# Altium PCB kunkun.PcbDoc (part 4 of 8) (continued)
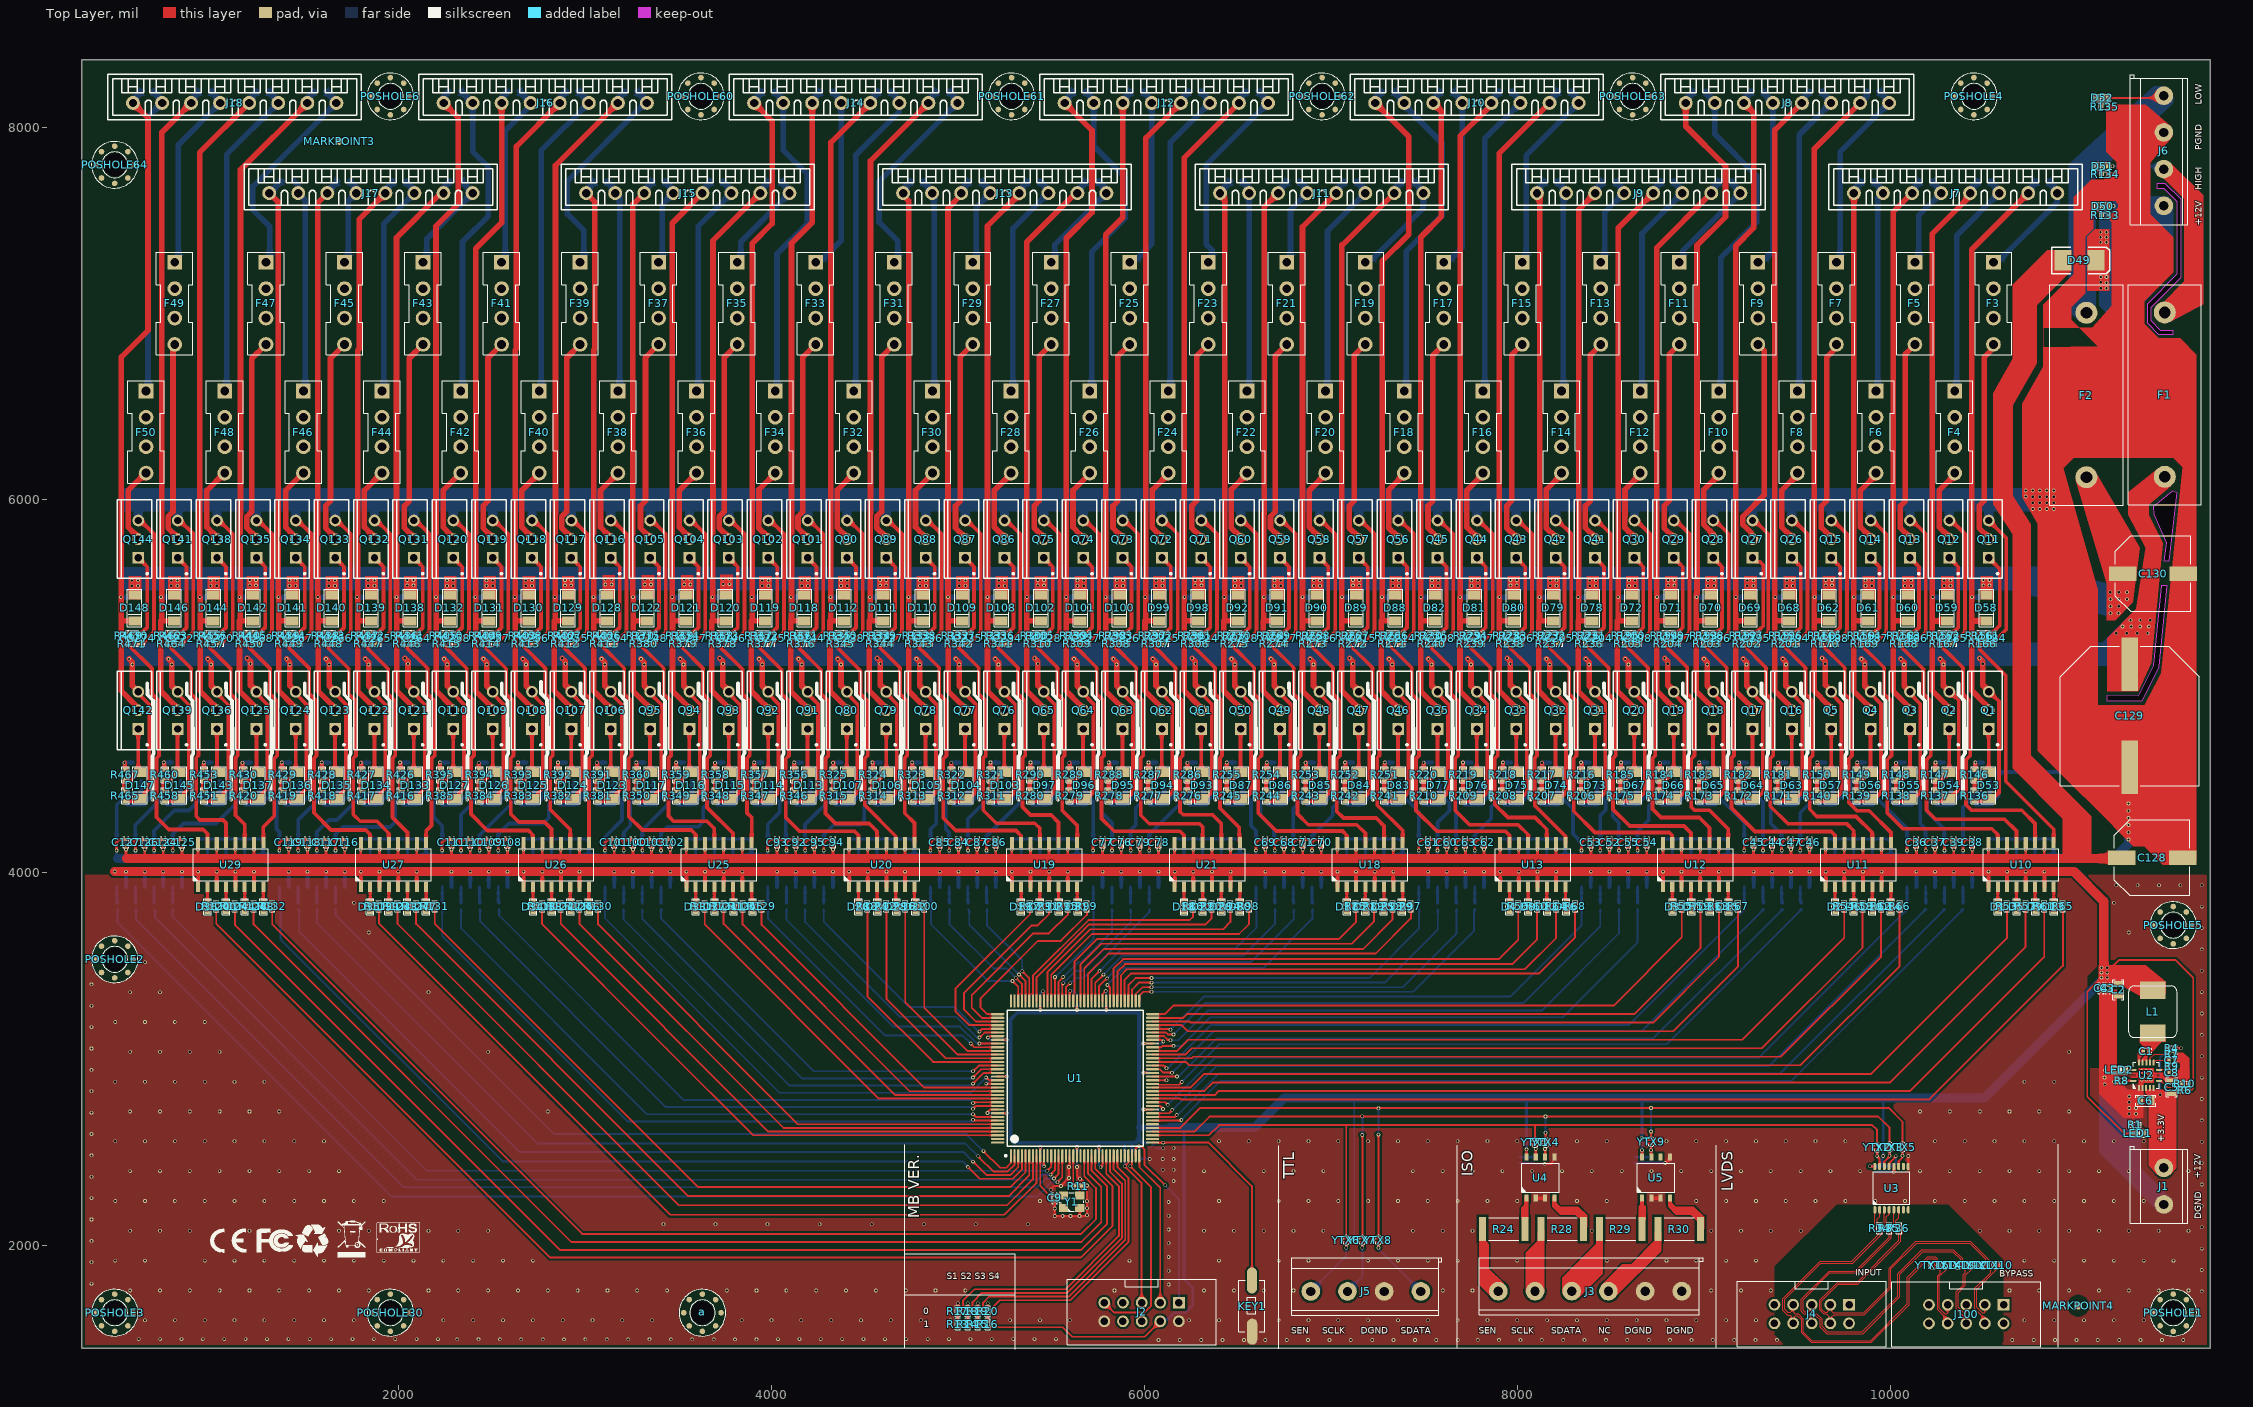
[diagram p0: Top Layer view]
## Nets (pads, with @x,y where several pads share a name; then routed paths per layer and width w, separated by ;. In a path a pad name is that pad's centre, name@x,y a point inside that pad or via, vN(x,y) a via of type N, cw(c..) or ccw(c..) an arc to the next point about the centre after c; other vN are vias at no path point) (continued)
NetD134_2: D134.2 Q122.1 R417.1 R427.1 | length 381.1
  Top Layer w20: R417.1@1795.85,4440.23 1795.85,4498.76 1829.52,4498.76 1870.12,4539.36 Q122.1@1870.12,4770.83
NetD135_2: D135.2 Q123.1 R418.1 R428.1 | length 381.1
  Top Layer w20: R418.1@1584.68,4440.23 1584.68,4498.76 1618.35,4498.76 1658.95,4539.36 Q123.1@1658.95,4770.83
NetD136_2: D136.2 Q124.1 R419.1 R429.1 | length 381.4
  Top Layer w20: R419.1@1373.64,4440.23 1373.64,4498.76 1407.41,4498.76 1448.01,4539.36 Q124.1@1448.01,4771.06
NetD137_2: D137.2 Q125.1 R420.1 R430.1 | length 381.7
  Top Layer w20: R420.1@1162.61,4440.23 1162.61,4498.76 1196.47,4498.76 D137.2@1237.07,4539.36 ; D137.2@1237.35,4539.64 Q125.1@1237.35,4771.57
NetD143_2: D143.2 Q136.1 R451.1 R453.1 | length 381.1
  Top Layer w20: R451.1@951.17,4440.23 951.17,4498.76 984.84,4498.76 1025.44,4539.36 Q136.1@1025.44,4770.83
NetD145_2: D145.2 Q139.1 R458.1 R460.1 | length 381.1
  Top Layer w20: R458.1@740,4440.23 740,4498.76 773.67,4498.76 814.27,4539.36 Q139.1@814.27,4770.83
NetD147_2: D147.2 Q142.1 R465.1 R467.1 | length 381.1
  Top Layer w20: R465.1@528.83,4440.23 528.83,4498.76 562.5,4498.76 603.1,4539.36 Q142.1@603.1,4770.83
NetF3_2: F3.2 Q11.2 | length 1126.1
  Top Layer w30: Q11.2@10528.84,5789.64 10528.84,5798.56 10477.35,5850.06 10477.35,5968.46 10503.81,5994.92 10503.81,6764.24 F3.2@10553.97,6814.4 ; F3.2@10553.97,6834.4 F3.2@10553.97,6814.4 ; F3.2@10573.97,6834.4 F3.2@10553.97,6814.4
NetF4_2: F4.2 Q12.2 | length 415.8
  Top Layer w30: Q12.2@10317.67,5789.64 10317.67,5798.56 10301.18,5815.06 10301.18,5815.69 10262.81,5854.06 10262.81,6050.82 F4.2@10356.1,6144.11
NetF5_2: F5.2 Q13.2 | length 1111.6
  Top Layer w30: Q13.2@10106.5,5789.64 10106.5,5798.56 10055.01,5850.06 10055.01,5968.46 10081.47,5994.92 10081.47,6783.04 F5.2@10132.83,6834.4 ; F5.2@10142.23,6825 F5.2@10151.63,6834.4
NetF6_2: F6.2 Q14.2 | length 382.9
  Top Layer w30: Q14.2@9878.84,5815.69 9840.47,5854.06 9840.47,6050.82 F6.2@9933.76,6144.11
NetF7_2: F7.2 Q15.2 | length 1124.7
  Top Layer w30: Q15.2@9684.16,5789.64 9684.16,5798.56 9631.42,5851.3 9631.42,5967.21 9659.13,5994.92 9659.13,6764.24 F7.2@9711.69,6816.79 ; F7.2@9711.69,6834.4 F7.2@9711.69,6816.79 ; F7.2@9729.29,6834.4 F7.2@9711.69,6816.79
NetF8_2: F8.2 Q26.2 | length 382.9
  Top Layer w30: Q26.2@9456.49,5815.69 9418.13,5854.06 9418.13,6050.82 F8.2@9511.42,6144.11
NetF9_2: F9.2 Q27.2 | length 1127.3
  Top Layer w30: Q27.2@9261.82,5789.64 9255.51,5795.95 9255.51,5823.12 9210.32,5868.31 9210.32,5910.97 9324.33,6024.98 9324.33,6800.61 F9.2@9290.54,6834.4
NetF10_2: F10.2 Q28.2 | length 386.6
  Top Layer w30: Q28.2@9049.67,5815.69 9049.67,5817.79 8999.15,5868.31 8999.15,6052.44 9089.08,6142.36 F10.2@9089.08,6144.11
NetF11_2: F11.2 Q29.2 | length 1110.6
  Top Layer w30: Q29.2@8839.48,5789.64 8839.48,5798.56 8787.98,5850.06 8787.98,5968.46 8814.45,5994.92 8814.45,6779.45 F11.2@8869.4,6834.4 ; F11.2@8877,6826.79 F11.2@8884.61,6834.4
NetF12_2: F12.2 Q30.2 | length 380.2
  Top Layer w30: Q30.2@8611.81,5815.69 8576.81,5850.69 8576.81,5910.97 8577.98,5912.14 8577.98,6055.35 F12.2@8666.74,6144.11
NetF13_2: F13.2 Q41.2 | length 1110.2
  Top Layer w30: Q41.2@8417.14,5789.64 8417.14,5798.56 8365.64,5850.06 8365.64,5968.46 8392.11,5994.92 8392.11,6778.25 F13.2@8448.26,6834.4 ; F13.2@8455.26,6827.39 F13.2@8462.27,6834.4
NetF14_2: F14.2 Q42.2 | length 380.2
  Top Layer w30: Q42.2@8189.47,5815.69 8154.47,5850.69 8154.47,5910.97 8156.2,5912.69 8156.2,6055.91 F14.2@8244.4,6144.11
NetF15_2: F15.2 Q43.2 | length 1109.9
  Top Layer w30: Q43.2@7994.8,5789.64 7994.8,5798.56 7943.3,5850.06 7943.3,5968.46 7969.77,5994.92 7969.77,6777.05 F15.2@8027.11,6834.4 ; F15.2@8033.52,6827.99 F15.2@8039.93,6834.4
NetF16_2: F16.2 Q44.2 | length 382.9
  Top Layer w30: Q44.2@7767.13,5815.69 7728.77,5854.06 7728.77,6050.82 F16.2@7822.06,6144.11
NetF17_2: F17.2 Q45.2 | length 1109.5
  Top Layer w30: Q45.2@7572.46,5789.64 7572.46,5798.56 7520.96,5850.06 7520.96,5968.46 7547.43,5994.92 7547.43,6775.85 F17.2@7605.97,6834.4 ; F17.2@7611.78,6828.59 F17.2@7617.59,6834.4
NetF18_2: F18.2 Q56.2 | length 380.2
  Top Layer w30: Q56.2@7344.79,5815.69 7309.79,5850.69 7309.79,6054.18 F18.2@7399.72,6144.11
NetF19_2: F19.2 Q57.2 | length 1109.2
  Top Layer w30: Q57.2@7150.12,5789.64 7150.12,5798.56 7098.62,5850.06 7098.62,5968.46 7125.09,5994.92 7125.09,6774.66 F19.2@7184.83,6834.4 ; F19.2@7190.04,6829.19 F19.2@7195.25,6834.4
NetF20_2: F20.2 Q58.2 | length 382.9
  Top Layer w30: Q58.2@6922.45,5815.69 6884.09,5854.06 6884.09,6050.82 F20.2@6977.38,6144.11
NetF21_2: F21.2 Q59.2 | length 1108.8
  Top Layer w30: Q59.2@6727.78,5789.64 6727.78,5798.56 6676.28,5850.06 6676.28,5910.97 6702.75,5937.43 6702.75,6773.46 F21.2@6763.68,6834.4 ; F21.2@6768.3,6829.79 F21.2@6772.91,6834.4
NetF22_2: F22.2 Q60.2 | length 380.2
  Top Layer w30: Q60.2@6500.11,5815.69 6465.11,5850.69 6465.11,5910.97 6466.84,5912.69 6466.84,6055.91 F22.2@6555.04,6144.11
NetF23_2: F23.2 Q71.2 | length 1108.5
  Top Layer w30: Q71.2@6305.44,5789.64 6305.44,5798.56 6253.94,5850.06 6253.94,5968.46 6280.41,5994.92 6280.41,6772.26 F23.2@6342.54,6834.4 ; F23.2@6346.55,6830.38 F23.2@6350.57,6834.4
NetF24_2: F24.2 Q72.2 | length 380.2
  Top Layer w30: Q72.2@6077.77,5815.69 6042.77,5850.69 6042.77,6054.18 F24.2@6132.7,6144.11
NetF25_2: F25.2 Q73.2 | length 1108.1
  Top Layer w30: Q73.2@5883.1,5789.64 5883.1,5798.56 5831.6,5850.06 5831.6,5968.46 5858.07,5994.92 5858.07,6771.07 F25.2@5921.4,6834.4 ; F25.2@5924.81,6830.98 F25.2@5928.23,6834.4
NetF26_2: F26.2 Q74.2 | length 382.9
  Top Layer w30: Q74.2@5655.43,5815.69 5617.07,5854.06 5617.07,6050.82 F26.2@5710.36,6144.11
NetF27_2: F27.2 Q75.2 | length 1107.8
  Top Layer w30: Q75.2@5460.76,5789.64 5460.76,5798.56 5409.26,5850.06 5409.26,5968.46 5435.72,5994.92 5435.72,6769.87 F27.2@5500.25,6834.4 ; F27.2@5503.07,6831.58 F27.2@5505.89,6834.4
NetF28_2: F28.2 Q86.2 | length 382.9
  Top Layer w30: Q86.2@5233.09,5815.69 5194.73,5854.06 5194.73,6050.82 F28.2@5288.02,6144.11
NetF29_2: F29.2 Q87.2 | length 1107.4
  Top Layer w30: Q87.2@5038.42,5789.64 5038.42,5798.56 4986.92,5850.06 4986.92,5968.46 5013.38,5994.92 5013.38,6768.67 F29.2@5079.11,6834.4 ; F29.2@5081.33,6832.18 F29.2@5083.55,6834.4
NetF30_2: F30.2 Q88.2 | length 382.9
  Top Layer w30: Q88.2@4810.75,5815.69 4772.39,5854.06 4772.39,6050.82 F30.2@4865.67,6144.11
NetF31_2: F31.2 Q89.2 | length 1107.1
  Top Layer w30: Q89.2@4616.08,5789.64 4616.08,5798.56 4564.58,5850.06 4564.58,5910.97 4591.04,5937.43 4591.04,6767.47 F31.2@4657.97,6834.4 ; F31.2@4659.59,6832.78 F31.2@4661.21,6834.4
NetF32_2: F32.2 Q90.2 | length 380.2
  Top Layer w30: Q90.2@4388.41,5815.69 4353.41,5850.69 4353.41,6054.18 F32.2@4443.33,6144.11
NetF33_2: F33.2 Q101.2 | length 1106.7
  Top Layer w30: Q101.2@4193.74,5789.64 4193.74,5798.56 4142.24,5850.06 4142.24,5910.97 4168.7,5937.43 4168.7,6766.28 F33.2@4236.83,6834.4 ; F33.2@4237.85,6833.38 F33.2@4238.87,6834.4
NetF34_2: F34.2 Q102.2 | length 380.2
  Top Layer w30: Q102.2@3966.07,5815.69 3931.07,5850.69 3931.07,5910.97 3932.79,5912.69 3932.79,6055.91 F34.2@4020.99,6144.11
NetF35_2: F35.2 Q103.2 | length 1106.4
  Top Layer w30: Q103.2@3771.4,5789.64 3771.4,5798.56 3719.9,5850.06 3719.9,5910.97 3746.36,5937.43 3746.36,6765.08 F35.2@3815.68,6834.4 ; F35.2@3816.1,6833.98 F35.2@3816.53,6834.4
NetF36_2: F36.2 Q104.2 | length 382.9
  Top Layer w30: Q104.2@3543.73,5815.69 3505.37,5854.06 3505.37,6050.82 F36.2@3598.65,6144.11
NetF37_2: F37.2 Q105.2 | length 1106.3
  Top Layer w30: Q105.2@3349.05,5789.64 3349.05,5798.56 3297.56,5850.06 3297.56,5968.46 3324.02,5994.92 3324.02,6763.88 F37.2@3394.54,6834.4
NetF38_2: F38.2 Q116.2 | length 382.9
  Top Layer w30: Q116.2@3121.39,5815.69 3083.03,5854.06 3083.03,6050.82 F38.2@3176.31,6144.11
NetF39_2: F39.2 Q117.2 | length 1106.8
  Top Layer w30: Q117.2@2926.71,5789.64 2926.71,5798.56 2875.22,5850.06 2875.22,5910.97 2901.68,5937.43 2901.68,6762.68 F39.2@2973.4,6834.4
NetF40_2: F40.2 Q118.2 | length 382.9
  Top Layer w30: Q118.2@2699.05,5815.69 2660.68,5854.06 2660.68,6050.82 F40.2@2753.97,6144.11
NetF41_2: F41.2 Q119.2 | length 1107.3
  Top Layer w30: Q119.2@2504.37,5789.64 2504.37,5798.56 2452.88,5850.06 2452.88,5968.46 2479.34,5994.92 2479.34,6761.49 F41.2@2552.25,6834.4
NetF42_2: F42.2 Q120.2 | length 382.9
  Top Layer w30: Q120.2@2276.71,5815.69 2238.34,5854.06 2238.34,6050.82 F42.2@2331.63,6144.11
NetF43_2: F43.2 Q131.2 | length 1107.7
  Top Layer w30: Q131.2@2082.03,5789.64 2082.03,5798.56 2030.54,5850.06 2030.54,5968.46 2057,5994.92 2057,6760.29 F43.2@2131.11,6834.4
NetF44_2: F44.2 Q132.2 | length 382.9
  Top Layer w30: Q132.2@1854.37,5815.69 1816,5854.06 1816,6050.82 F44.2@1909.29,6144.11
NetF45_2: F45.2 Q133.2 | length 1108.2
  Top Layer w30: Q133.2@1659.69,5789.64 1659.69,5798.56 1608.2,5850.06 1608.2,5968.46 1634.66,5994.92 1634.66,6759.09 F45.2@1709.97,6834.4
NetF46_2: F46.2 Q134.2 | length 382.9
  Top Layer w30: Q134.2@1432.03,5815.69 1393.66,5854.06 1393.66,6050.82 F46.2@1486.95,6144.11
NetF47_2: F47.2 Q135.2 | length 1108.7
  Top Layer w30: Q135.2@1237.35,5789.64 1237.35,5798.56 1185.86,5850.06 1185.86,5910.97 1212.32,5937.43 1212.32,6757.9 F47.2@1288.82,6834.4
NetF48_2: F48.2 Q138.2 | length 382.9
  Top Layer w30: Q138.2@1009.69,5815.69 971.32,5854.06 971.32,6050.82 F48.2@1064.61,6144.11
NetF49_2: F49.2 Q141.2 | length 1080.8
  Top Layer w30: F49.2@799.01,6834.4 789.98,6825.36 789.98,5937.43 763.52,5910.97 763.52,5850.06 815.01,5798.56 Q141.2@815.01,5789.64
NetF50_2: F50.2 Q144.2 | length 382.9
  Top Layer w30: Q144.2@587.35,5815.69 548.98,5854.06 548.98,6050.82 F50.2@642.27,6144.11
NetJ3_1: J3.1 R24.1
NetJ3_2: J3.2 R28.1
NetJ3_3: J3.3 R29.1
NetJ3_4: J3.4 R30.1
NetJ5_1: J5.1 R31.1 YTX6.1 | length 367.6
  Top Layer w10: v1(7082.72,1989.6) YTX6.1@7082.72,2014.91 7082.72,2019.09
  Bottom Layer w10: J5.1@6892.49,1754.83 7082.72,1945.06 v1(7082.72,1989.6) R31.1@7082.72,2014.17
NetJ5_2: J5.2 R32.1 YTX7.1 | length 321.8
  Top Layer w10: v1(7168.99,1989.6) YTX7.1@7168.99,2014.91 7168.99,2019.09
  Bottom Layer w10: J5.2@7089.34,1754.83 7168.99,1834.49 v1(7168.99,1989.6) R32.1@7168.99,2014.17
NetJ5_4: J5.4 R33.1 YTX8.1 | length 383.2
  Top Layer w10: v1(7255.27,1989.6) YTX8.1@7255.27,2014.91 7255.27,2019.09
  Bottom Layer w10: R33.1@7255.27,2014.17 v1(7255.27,1989.6) 7255.27,1982.61 J5.4@7483.04,1754.83
NetJ100_3: J100.3 YTX10.1 | length 366.6
  Top Layer w5: J100.3@10508.26,1682.89 10508.26,1644.47 10504.41,1640.62 10493.99,1640.62 10465.03,1669.59 10465.03,1767.12 10577.8,1879.89 10577.8,1894.27
NetJ100_4: J100.4 YTX11.2 | length 355.1
  Top Layer w5: J100.4@10508.26,1607.68 10455.03,1660.91 10455.03,1771.26 10539.1,1855.33 10539.1,1865.48 10510.5,1894.08
NetJ100_5: J100.5 YTX12.1 | length 351.9
  Top Layer w5: J100.5@10408.26,1682.89 10408.26,1644.47 10404.41,1640.62 10393.99,1640.62 10365.03,1669.59 10365.03,1748.65 10403.64,1787.26 10403.64,1841.28 10442.25,1879.89 10442.25,1894.27
NetJ100_6: J100.6 YTX13.2 | length 365.2
  Top Layer w5: 10374.96,1894.08 10403.55,1865.48 10403.55,1855.33 10391.29,1843.07 10391.29,1789.06 10355.03,1752.79 10355.03,1660.91 10408.26,1607.68 J100.6@10408.26,1582.89
NetJ100_7: J100.7 YTX14.1 | length 346.5
  Top Layer w5: J100.7@10308.26,1682.89 10308.26,1640.36 10304.16,1636.26 10291.96,1636.26 10264.52,1663.7 10264.52,1835.12 10308.26,1878.86 10308.26,1892.72
NetJ100_8: J100.8 YTX15.2 | length 351.9
  Top Layer w5: 10239.08,1894.27 10268.36,1864.98 10268.36,1853.11 10254.04,1838.78 10254.04,1656.8 10308.26,1602.58 J100.8@10308.26,1582.89
NetLED1_1: LED1.1 R1.1 | length 57.5
  Top Layer w6: R1.1@11331.64,2649.6 11356.63,2624.61 LED1.1@11356.63,2602.43
NetLED2_2: LED2.2 U2.14 | length 46.9
  Top Layer w10: LED2.2@11257.47,2942.8 11258.33,2943.66 U2.14@11304.02,2943.66
NetQ6_1: Q6.1 R146.2 | length 82
  Top Layer w20: R146.2@10453.83,4553.88 10457,4557.04 v1(10457,4591.59)
  Bottom Layer w20: v1(10457,4591.59) Q6.1@10500,4591.59
NetQ7_1: Q7.1 R147.2 | length 84.8
  Top Layer w20: R147.2@10242.79,4553.88 v1(10242.79,4592.2)
  Bottom Layer w20: v1(10242.79,4592.2) 10288.38,4592.2 Q7.1@10289,4591.59
NetQ8_1: Q8.1 R148.2 | length 83.4
  Top Layer w20: R148.2@10031.76,4553.88 v1(10031.76,4590.59)
  Bottom Layer w20: v1(10031.76,4590.59) 10032.75,4591.59 Q8.1@10078,4591.59
NetQ9_1: Q9.1 R149.2 | length 77.5
  Top Layer w20: R149.2@9823.48,4557.04 v1(9823.48,4591.59)
  Bottom Layer w20: v1(9823.48,4591.59) Q9.1@9866.48,4591.59
NetQ10_1: Q10.1 R150.2 | length 80.1
  Top Layer w20: R150.2@9612.31,4557.04 v1@9612.31,4591.59
  Bottom Layer w20: v1(9609.28,4592.2) Q10.1@9654.87,4592.2
NetQ21_1: Q21.1 R181.2 | length 79.8
  Top Layer w20: R181.2@9401.14,4557.04 v1@9401.14,4591.59
  Bottom Layer w20: v1@9399.24,4591.59 Q21.1@9444.48,4591.59
  other v1: 9398.25,4590.59
NetQ22_1: Q22.1 R182.2 | length 77.5
  Top Layer w20: R182.2@9189.97,4557.04 v1(9189.97,4591.59)
  Bottom Layer w20: v1(9189.97,4591.59) Q22.1@9232.97,4591.59
NetQ23_1: Q23.1 R183.2 | length 83.9
  Top Layer w20: R183.2@8975.77,4553.88 v1(8975.77,4592.2)
  Bottom Layer w20: v1(8975.77,4592.2) Q23.1@9021.36,4592.2
NetQ24_1: Q24.1 R184.2 | length 82
  Top Layer w20: R184.2@8764.73,4553.88 v1(8764.73,4590.59)
  Bottom Layer w20: v1@8765.73,4591.59 Q24.1@8810.97,4591.59
NetQ25_1: Q25.1 R185.2 | length 77.5
  Top Layer w20: R185.2@8556.46,4557.04 v1(8556.46,4591.59)
  Bottom Layer w20: v1(8556.46,4591.59) Q25.1@8599.46,4591.59
NetQ36_1: Q36.1 R216.2 | length 80.1
  Top Layer w20: R216.2@8345.29,4557.04 v1@8345.29,4591.59
  Bottom Layer w20: v1(8342.26,4592.2) Q36.1@8387.85,4592.2
NetQ37_1: Q37.1 R217.2 | length 79.8
  Top Layer w20: R217.2@8134.12,4557.04 v1@8134.12,4591.59
  Bottom Layer w20: v1@8132.22,4591.59 Q37.1@8177.46,4591.59
  other v1: 8131.22,4590.59
NetQ38_1: Q38.1 R218.2 | length 77.5
  Top Layer w20: R218.2@7922.95,4557.04 v1(7922.95,4591.59)
  Bottom Layer w20: v1(7922.95,4591.59) Q38.1@7965.95,4591.59
NetQ39_1: Q39.1 R219.2 | length 83.9
  Top Layer w20: R219.2@7708.75,4553.88 v1(7708.75,4592.2)
  Bottom Layer w20: v1(7708.75,4592.2) Q39.1@7754.34,4592.2
NetQ40_1: Q40.1 R220.2 | length 82
  Top Layer w20: R220.2@7497.71,4553.88 v1(7497.71,4590.59)
  Bottom Layer w20: v1@7498.71,4591.59 Q40.1@7543.95,4591.59
NetQ51_1: Q51.1 R251.2 | length 77.5
  Top Layer w20: R251.2@7289.44,4557.04 v1(7289.44,4591.59)
  Bottom Layer w20: v1(7289.44,4591.59) Q51.1@7332.44,4591.59
NetQ52_1: Q52.1 R252.2 | length 80.1
  Top Layer w20: R252.2@7078.27,4557.04 v1@7078.27,4591.59
  Bottom Layer w20: v1(7075.24,4592.2) Q52.1@7120.83,4592.2
NetQ53_1: Q53.1 R253.2 | length 79.8
  Top Layer w20: R253.2@6867.1,4557.04 v1@6867.1,4591.59
  Bottom Layer w20: v1@6865.2,4591.59 Q53.1@6910.44,4591.59
  other v1: 6864.2,4590.59
NetQ54_1: Q54.1 R254.2 | length 77.5
  Top Layer w20: R254.2@6655.93,4557.04 v1(6655.93,4591.59)
  Bottom Layer w20: v1(6655.93,4591.59) Q54.1@6698.93,4591.59
NetQ55_1: Q55.1 R255.2 | length 83.9
  Top Layer w20: R255.2@6441.73,4553.88 v1(6441.73,4592.2)
  Bottom Layer w20: v1(6441.73,4592.2) Q55.1@6487.32,4592.2
NetQ66_1: Q66.1 R286.2 | length 82
  Top Layer w20: R286.2@6230.69,4553.88 v1(6230.69,4590.59)
  Bottom Layer w20: v1@6231.69,4591.59 Q66.1@6276.93,4591.59
NetQ67_1: Q67.1 R287.2 | length 77.5
  Top Layer w20: R287.2@6022.42,4557.04 v1(6022.42,4591.59)
  Bottom Layer w20: v1(6022.42,4591.59) Q67.1@6065.42,4591.59
NetQ68_1: Q68.1 R288.2 | length 80.1
  Top Layer w20: R288.2@5811.25,4557.04 v1@5811.25,4591.59
  Bottom Layer w20: v1(5808.22,4592.2) Q68.1@5853.81,4592.2
NetQ69_1: Q69.1 R289.2 | length 79.8
  Top Layer w20: R289.2@5600.08,4557.04 v1@5600.08,4591.59
  Bottom Layer w20: v1@5598.18,4591.59 Q69.1@5643.42,4591.59
  other v1: 5597.18,4590.59
NetQ70_1: Q70.1 R290.2 | length 77.5
  Top Layer w20: R290.2@5388.91,4557.04 v1(5388.91,4591.59)
  Bottom Layer w20: v1(5388.91,4591.59) Q70.1@5431.91,4591.59
NetQ81_1: Q81.1 R321.2 | length 83.9
  Top Layer w20: R321.2@5174.71,4553.88 v1(5174.71,4592.2)
  Bottom Layer w20: v1(5174.71,4592.2) Q81.1@5220.3,4592.2
NetQ82_1: Q82.1 R322.2 | length 82
  Top Layer w20: R322.2@4963.67,4553.88 v1(4963.67,4590.59)
  Bottom Layer w20: v1@4964.67,4591.59 Q82.1@5009.91,4591.59
NetQ83_1: Q83.1 R323.2 | length 77.5
  Top Layer w20: R323.2@4755.4,4557.04 v1(4755.4,4591.59)
  Bottom Layer w20: v1(4755.4,4591.59) Q83.1@4798.4,4591.59
NetQ84_1: Q84.1 R324.2 | length 80.1
  Top Layer w20: R324.2@4544.23,4557.04 v1@4544.23,4591.59
  Bottom Layer w20: v1(4541.2,4592.2) Q84.1@4586.78,4592.2
NetQ85_1: Q85.1 R325.2 | length 79.8
  Top Layer w20: R325.2@4333.06,4557.04 v1@4333.06,4591.59
  Bottom Layer w20: v1@4331.16,4591.59 Q85.1@4376.4,4591.59
  other v1: 4330.16,4590.59
NetQ96_1: Q96.1 R356.2 | length 77.5
  Top Layer w20: R356.2@4121.89,4557.04 v1(4121.89,4591.59)
  Bottom Layer w20: v1(4121.89,4591.59) Q96.1@4164.89,4591.59
NetQ97_1: Q97.1 R357.2 | length 83.9
  Top Layer w20: R357.2@3907.69,4553.88 v1(3907.69,4592.2)
  Bottom Layer w20: v1(3907.69,4592.2) Q97.1@3953.27,4592.2
NetQ98_1: Q98.1 R358.2 | length 82
  Top Layer w20: R358.2@3696.65,4553.88 v1(3696.65,4590.59)
  Bottom Layer w20: v1@3697.65,4591.59 Q98.1@3742.89,4591.59
NetQ99_1: Q99.1 R359.2 | length 77.5
  Top Layer w20: R359.2@3488.38,4557.04 v1(3488.38,4591.59)
  Bottom Layer w20: v1(3488.38,4591.59) Q99.1@3531.38,4591.59
NetQ100_1: Q100.1 R360.2 | length 80.1
  Top Layer w20: R360.2@3277.21,4557.04 v1@3277.21,4591.59
  Bottom Layer w20: v1(3274.18,4592.2) Q100.1@3319.76,4592.2
NetQ111_1: Q111.1 R391.2 | length 79.8
  Top Layer w20: R391.2@3066.04,4557.04 v1@3066.04,4591.59
  Bottom Layer w20: v1@3064.14,4591.59 Q111.1@3109.38,4591.59
  other v1: 3063.14,4590.59
NetQ112_1: Q112.1 R392.2 | length 77.5
  Top Layer w20: R392.2@2854.87,4557.04 v1(2854.87,4591.59)
  Bottom Layer w20: v1(2854.87,4591.59) Q112.1@2897.87,4591.59
NetQ113_1: Q113.1 R393.2 | length 83.9
  Top Layer w20: R393.2@2640.67,4553.88 v1(2640.67,4592.2)
  Bottom Layer w20: v1(2640.67,4592.2) Q113.1@2686.25,4592.2
NetQ114_1: Q114.1 R394.2 | length 82
  Top Layer w20: R394.2@2429.63,4553.88 v1(2429.63,4590.59)
  Bottom Layer w20: v1@2430.63,4591.59 Q114.1@2475.87,4591.59
NetQ115_1: Q115.1 R395.2 | length 77.5
  Top Layer w20: R395.2@2221.36,4557.04 v1(2221.36,4591.59)
  Bottom Layer w20: v1(2221.36,4591.59) Q115.1@2264.36,4591.59
NetQ126_1: Q126.1 R426.2 | length 80.1
  Top Layer w20: R426.2@2010.19,4557.04 v1@2010.19,4591.59
  Bottom Layer w20: v1(2007.16,4592.2) Q126.1@2052.74,4592.2
NetQ127_1: Q127.1 R427.2 | length 79.8
  Top Layer w20: R427.2@1799.02,4557.04 v1@1799.02,4591.59
  Bottom Layer w20: v1@1797.12,4591.59 Q127.1@1842.36,4591.59
  other v1: 1796.12,4590.59
NetQ128_1: Q128.1 R428.2 | length 77.5
  Top Layer w20: R428.2@1587.85,4557.04 v1(1587.85,4591.59)
  Bottom Layer w20: v1(1587.85,4591.59) Q128.1@1630.85,4591.59
NetQ129_1: Q129.1 R429.2 | length 83.9
  Top Layer w20: R429.2@1373.64,4553.88 v1(1373.64,4592.2)
  Bottom Layer w20: v1(1373.64,4592.2) Q129.1@1419.23,4592.2
NetQ130_1: Q130.1 R430.2 | length 82
  Top Layer w20: R430.2@1162.61,4553.88 v1(1162.61,4590.59)
  Bottom Layer w20: v1@1163.61,4591.59 Q130.1@1208.85,4591.59
NetQ137_1: Q137.1 R453.2 | length 77.5
  Top Layer w20: R453.2@954.34,4557.04 v1(954.34,4591.59)
  Bottom Layer w20: v1(954.34,4591.59) Q137.1@997.34,4591.59
NetQ140_1: Q140.1 R460.2 | length 80.1
  Top Layer w20: R460.2@743.17,4557.04 v1@743.17,4591.59
  Bottom Layer w20: v1(740.13,4592.2) Q140.1@785.72,4592.2
NetQ143_1: Q143.1 R467.2 | length 79.8
  Top Layer w20: R467.2@532,4557.04 v1@532,4591.59
  Bottom Layer w20: v1@530.09,4591.59 Q143.1@575.34,4591.59
  other v1: 529.1,4590.59
NetR4_1: R4.1 R7.2 U2.10 | length 165.7
  Top Layer w5: U2.10@11393.64,2982.05 11393.64,3004.54 11415.78,3026.67 R7.2@11495.08,3026.67 R4.1@11495.08,3059.26
NetR6_1: R6.1 R10.2 U2.7 | length 168.9
  Top Layer w6: U2.7@11441.82,2884.6 11451.77,2884.6 11487.58,2848.8 11563.25,2848.8 ; R6.1@11563.25,2835.02 11563.25,2848.8 ; R10.2@11563.25,2867.61 11563.25,2848.8
NetR8_2: R8.2 U2.1 | length 46.1
  Top Layer w10: R8.2@11257.95,2884.56 11257.99,2884.6 U2.1@11304.02,2884.6
NetR9_2: R9.2 U2.8 | length 60.7
  Top Layer w5: U2.8@11441.82,2943.66 11469.28,2943.66 11487.11,2961.49 R9.2@11495.08,2961.49
NetR11_1: R11.1 Y1.3 | length 54.7
  Top Layer w10: Y1.3@5652.9,2268.49 5652.9,2295 5660.82,2302.91 R11.1@5660.82,2319.91
NetR21_1: R21.1 U4.7 YTX1.2 | length 98.8
  Top Layer w10: 8093.51,2538.15 8093.51,2543.07 ; U4.7@8093.75,2480.64 U4.7@8099.16,2475.22 8099.16,2542.26
  Bottom Layer w10: v1(8098.85,2518.93) 8099.59,2519.66 R21.1@8099.59,2537.77
NetR22_1: R22.1 U4.6 YTX4.2 | length 86.2
  Top Layer w10: U4.6@8149.16,2475.22 8149.16,2542.26
  Bottom Layer w10: v1(8148.85,2518.93) 8149.59,2519.66 R22.1@8149.59,2537.77
NetR23_1: R23.1 U5.7 YTX9.2 | length 99.8
  Top Layer w10: 8717.35,2547.11 YTX9.2@8717.35,2542.94 8717.35,2476.63 U5.7@8718.76,2475.22
  Bottom Layer w10: v1@8717.35,2519.41 R23.1@8717.35,2546.72
  other v1: 8717.35,2512.57
NetR24_2: R24.2 U4.1 | length 10.8
  Top Layer w15: R24.2@8041.52,2089.56 R24.2@8049.16,2097.2
NetR25_1: R25.1 U3.15 YTX2.2 | length 129.7
  Top Layer w10: 9929.93,2517.47 YTX2.2@9929.93,2513.29 v1(9929.93,2480.59) 9943.27,2467.25 U3.15@9943.27,2425.23
  Bottom Layer w10: v1(9929.93,2480.59) R25.1@9929.93,2512.55
NetR26_1: R26.1 U3.14 YTX3.2 | length 133
  Top Layer w10: U3.14@9968.86,2425.23 9968.86,2451.16 9992.17,2474.47 9992.17,2474.93 9996.56,2479.32 9997.02,2479.32 YTX3.2@9997.02,2514.35
  Bottom Layer w10: v1(9997.02,2482.39) R26.1@9997.02,2514.35
NetR27_1: R27.1 U3.11 YTX5.2 | length 128.6
  Top Layer w10: U3.11@10045.63,2425.23 10045.63,2453.56 10064.32,2472.25 10064.32,2480.54 v1(10066.17,2482.39) ; v1@10066.17,2487.53 10066.17,2518.52
  Bottom Layer w10: v1(10066.17,2482.39) R27.1@10066.17,2514.34
NetR28_2: R28.2 U4.4
NetR29_2: R29.2 U5.1
NetR30_2: R30.2 U5.4
NetR37_2: R37.2 U6.2 | length 88.3
  Bottom Layer w15: U6.2@10390.74,3924.62 10390.74,3837.92 R37.2@10391.87,3836.79
NetR38_2: R38.2 U7.2 | length 90.9
  Bottom Layer w15: U7.2@9517.78,3924.62 9517.78,3844.34 R38.2@9525.32,3836.79
NetR39_2: R39.2 U8.2 | length 88
  Bottom Layer w15: U8.2@8644.81,3924.62 8644.81,3837.24 R39.2@8645.26,3836.79
NetR40_2: R40.2 U9.2 | length 88.5
  Bottom Layer w15: U9.2@7771.85,3924.62 7771.85,3838.39 R40.2@7773.44,3836.79
NetR41_2: R41.2 U6.4 | length 88.3
  Bottom Layer w15: U6.4@10290.74,3924.62 10290.74,3837.92 R41.2@10291.87,3836.79
NetR42_2: R42.2 U7.4 | length 90.3
  Bottom Layer w15: U7.4@9417.78,3924.62 9417.78,3842.67 R42.2@9423.66,3836.79
NetR43_2: R43.2 U8.4 | length 88
  Bottom Layer w15: U8.4@8544.81,3924.62 8544.81,3837.24 R43.2@8545.26,3836.79
NetR44_2: R44.2 U9.4 | length 88.5
  Bottom Layer w15: U9.4@7671.85,3924.62 7671.85,3838.39 R44.2@7673.44,3836.79
NetR45_2: R45.2 U6.6 | length 88.3
  Bottom Layer w15: U6.6@10190.74,3924.62 10190.74,3837.92 R45.2@10191.87,3836.79
NetR46_2: R46.2 U7.6 | length 89.6
  Bottom Layer w15: U7.6@9317.78,3924.62 9317.78,3841.01 R46.2@9321.99,3836.79
NetR47_2: R47.2 U8.6 | length 88
  Bottom Layer w15: U8.6@8444.81,3924.62 8444.81,3837.24 R47.2@8445.26,3836.79
NetR48_2: R48.2 U9.6 | length 88.5
  Bottom Layer w15: U9.6@7571.85,3924.62 7571.85,3838.39 R48.2@7573.44,3836.79
NetR49_2: R49.2 U6.8 | length 88.3
  Bottom Layer w15: U6.8@10090.74,3924.62 10090.74,3837.92 R49.2@10091.87,3836.79
NetR50_2: R50.2 U7.8 | length 88.9
  Bottom Layer w15: U7.8@9217.78,3924.62 9217.78,3839.34 R50.2@9220.32,3836.79
NetR51_2: R51.2 U8.8 | length 88
  Bottom Layer w15: U8.8@8344.81,3924.62 8344.81,3837.24 R51.2@8345.26,3836.79
NetR52_2: R52.2 U9.8 | length 88.5
  Bottom Layer w15: U9.8@7471.85,3924.62 7471.85,3838.39 R52.2@7473.44,3836.79
NetR69_2: R69.2 U14.2 | length 88.8
  Bottom Layer w15: U14.2@6898.89,3924.62 6898.89,3839.2 R69.2@6901.29,3836.79
NetR70_2: R70.2 U15.2 | length 88.1
  Bottom Layer w15: U15.2@6025.92,3924.62 6025.92,3837.46 R70.2@6026.59,3836.79
NetR71_2: R71.2 U16.2 | length 88.9
  Bottom Layer w15: U16.2@5152.96,3924.62 5152.96,3839.4 R71.2@5155.57,3836.79
NetR72_2: R72.2 U17.2 | length 88
  Bottom Layer w15: U17.2@4280,3924.62 4280,3837.24 R72.2@4280.44,3836.79
NetR73_2: R73.2 U14.4 | length 88.8
  Bottom Layer w15: U14.4@6798.89,3924.62 6798.89,3839.2 R73.2@6801.29,3836.79
NetR74_2: R74.2 U15.4 | length 88.1
  Bottom Layer w15: U15.4@5925.92,3924.62 5925.92,3837.46 R74.2@5926.59,3836.79
NetR75_2: R75.2 U16.4 | length 88.9
  Bottom Layer w15: U16.4@5052.96,3924.62 5052.96,3839.4 R75.2@5055.57,3836.79
NetR76_2: R76.2 U17.4 | length 88
  Bottom Layer w15: U17.4@4180,3924.62 4180,3837.24 R76.2@4180.44,3836.79
NetR77_2: R77.2 U14.6 | length 88.8
  Bottom Layer w15: U14.6@6698.89,3924.62 6698.89,3839.2 R77.2@6701.29,3836.79
NetR78_2: R78.2 U15.6 | length 88.1
  Bottom Layer w15: U15.6@5825.92,3924.62 5825.92,3837.46 R78.2@5826.59,3836.79
NetR79_2: R79.2 U16.6 | length 88.9
  Bottom Layer w15: U16.6@4952.96,3924.62 4952.96,3839.4 R79.2@4955.57,3836.79
NetR80_2: R80.2 U17.6 | length 88
  Bottom Layer w15: U17.6@4080,3924.62 4080,3837.24 R80.2@4080.44,3836.79
NetR81_2: R81.2 U14.8 | length 88.8
  Bottom Layer w15: U14.8@6598.89,3924.62 6598.89,3839.2 R81.2@6601.29,3836.79
NetR82_2: R82.2 U15.8 | length 88.5
  Bottom Layer w15: U15.8@5725.92,3924.62 5725.92,3838.43 R82.2@5727.56,3836.79
NetR83_2: R83.2 U16.8 | length 88.9
  Bottom Layer w15: U16.8@4852.96,3924.62 4852.96,3839.4 R83.2@4855.57,3836.79
NetR84_2: R84.2 U17.8 | length 88
  Bottom Layer w15: U17.8@3980,3924.62 3980,3837.24 R84.2@3980.44,3836.79
NetR101_2: R101.2 U22.2 | length 87.8
  Bottom Layer w15: R101.2@3406.98,3836.79 R101.2@3406.98,3836.79 U22.2@3407.03,3924.62
NetR102_2: R102.2 U23.2 | length 89.8
  Bottom Layer w15: U23.2@2534.07,3924.62 2534.07,3841.62 R102.2@2538.9,3836.79
NetR103_2: R103.2 U24.2 | length 88.3
  Bottom Layer w15: U24.2@1661.11,3924.62 1661.11,3837.97 R103.2@1662.29,3836.79
NetR104_2: R104.2 U28.2 | length 88.1
  Bottom Layer w15: R104.2@787.5,3836.79 788.14,3837.44 U28.2@788.14,3924.62
NetR105_2: R105.2 U22.4 | length 87.8
  Bottom Layer w15: R105.2@3306.98,3836.79 R105.2@3306.98,3836.79 U22.4@3307.03,3924.62
NetR106_2: R106.2 U23.4 | length 89.1
  Bottom Layer w15: U23.4@2434.07,3924.62 2434.07,3839.96 R106.2@2437.23,3836.79
NetR107_2: R107.2 U24.4 | length 88.3
  Bottom Layer w15: U24.4@1561.11,3924.62 1561.11,3837.97 R107.2@1562.29,3836.79
NetR108_2: R108.2 U28.4 | length 88.2
  Bottom Layer w15: U28.4@688.14,3924.62 688.14,3837.81 R108.2@689.16,3836.79
NetR109_2: R109.2 U22.6 | length 87.8
  Bottom Layer w15: R109.2@3206.98,3836.79 R109.2@3206.98,3836.79 U22.6@3207.03,3924.62
NetR110_2: R110.2 U23.6 | length 88.4
  Bottom Layer w15: U23.6@2334.07,3924.62 2334.07,3838.29 R110.2@2335.57,3836.79
NetR111_2: R111.2 U24.6 | length 88.3
  Bottom Layer w15: U24.6@1461.11,3924.62 1461.11,3837.97 R111.2@1462.29,3836.79
NetR112_2: R112.2 U28.6 | length 88.9
  Bottom Layer w15: U28.6@588.14,3924.62 588.14,3839.48 R112.2@590.83,3836.79
NetR113_2: R113.2 U22.8 | length 87.8
  Bottom Layer w15: R113.2@3106.98,3836.79 R113.2@3106.98,3836.79 U22.8@3107.03,3924.62
NetR114_2: R114.2 U23.8 | length 87.9
  Bottom Layer w15: R114.2@2233.9,3836.79 2234.07,3836.96 U23.8@2234.07,3924.62
NetR115_2: R115.2 U24.8 | length 88.3
  Bottom Layer w15: U24.8@1361.11,3924.62 1361.11,3837.97 R115.2@1362.29,3836.79